# Allegro board RK3588S_Template_LP4XD556P164SD10H2_33X33_2133MHz_H1R6_V10_20220315YWQ.brd (continued)
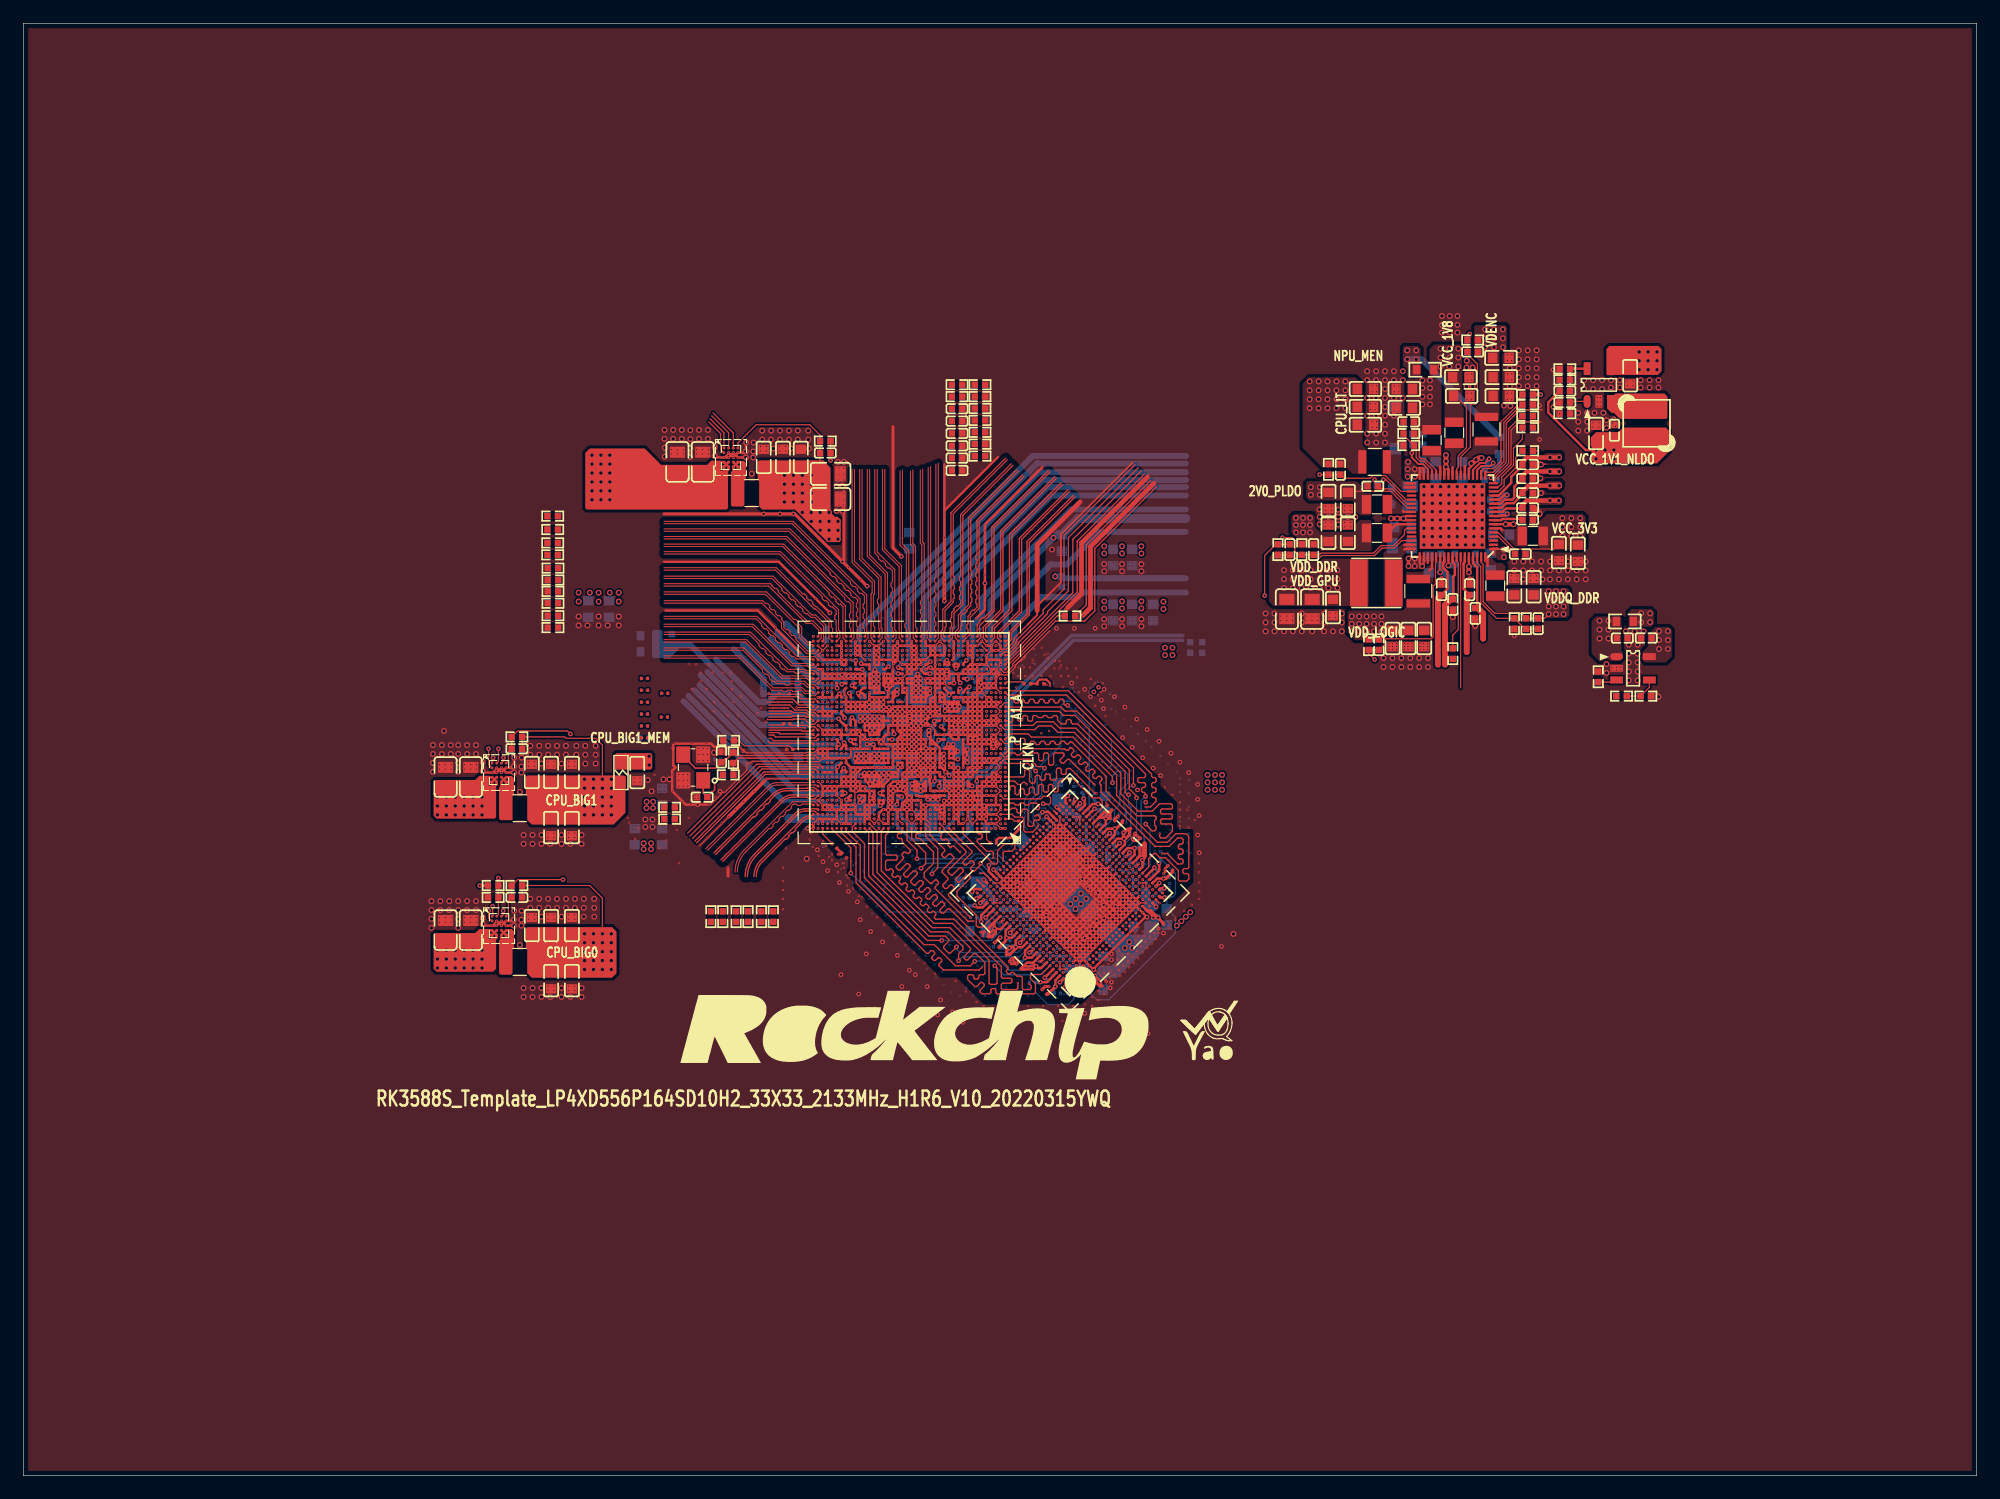
[diagram p0: board, top side]
## Routing (per net, layer and track width the routed paths; a pad name or vN(x,y) marks a point on that pad's centre or on a via; arc(x,y) is an arc through that point) (continued)
  L8-S3 w0.076: v2(74.28,49.22) 74.28,49.05 74.4,48.93 74.51,48.93 74.61,49.03 74.72,49.03 74.83,48.91 74.83,48.8 74.74,48.71 74.74,48.59 74.85,48.48 74.96,48.48 75.06,48.58 75.17,48.58 75.28,48.47 75.28,48.36 75.18,48.26 75.18,48.15 75.29,48.04 75.41,48.04 75.5,48.13 75.61,48.13 75.73,48.02 75.73,47.91 75.63,47.81 75.63,47.7 76.77,46.56 76.88,46.56 77.05,46.73 77.16,46.73 77.27,46.62 77.27,46.51 77.1,46.34 77.1,46.23 77.31,46.02 77.42,46.02 77.5,46.09 77.61,46.09 77.72,45.98 77.72,45.87 77.65,45.8 77.65,45.69 79.2,44.13 79.42,44.13 79.5,44.05 79.5,43.83 80.28,43.05 v2(80.51,43.05)
DDR_CH1_DQ7_C: length 12.7
  L3-S1 w0.076: v1(83.75,49.78) 83.69,49.84 83.69,50.55 83.57,50.67 83.57,50.93 83.67,51.04 83.72,51.04 83.87,51.18 84,51.18 84.08,51.26 84.08,51.43 83.95,51.56 83.95,51.63 83.95,51.63 83.95,51.8 83.88,51.86 83.3,51.86 82.55,52.61 82.55,52.83 82.39,53 82.39,53.24 82.31,53.32 82.15,53.32 82.07,53.24 82.07,53.08 81.99,53 81.83,53 81.76,53.08 81.76,53.24 81.68,53.32 81.52,53.32 81.44,53.24 81.44,53.08 81.36,53 79.8,53 78.57,54.23 78.57,56.17 78.49,56.26 78.13,56.26 v1(77.89,56.5)
DDR_CH1_DQ7_D: length 39.3
  L3-S1 w0.076: v1(89.41,44.13) 89.59,44.13 89.76,44.29 90.14,44.29 90.27,44.17 91.71,44.17 92.46,43.41 92.46,41.95 89.7,39.19 80.5,39.19 71.75,47.94 71.75,49.05 71.98,49.28 72.39,49.28 72.54,49.43 72.54,53.93 72.61,54 72.61,54.77 72.48,54.9 72.48,55.89 v1(72.69,56.1)
DDR_CH1_DQ8_C: length 17.5
  L3-S1 w0.076: v1(86.3,47.24) 86.3,47.31 87.38,48.39 87.38,48.51 87.88,49.02 88.65,49.02 88.77,49.14 88.77,49.25 88.69,49.33 88.69,49.45 88.8,49.56 88.91,49.56 88.96,49.5 89.13,49.5 89.22,49.59 89.22,49.76 89.14,49.84 89.03,49.84 88.95,49.92 88.95,50.03 89.03,50.11 89.32,50.11 89.39,50.18 89.39,50.32 89.32,50.4 88.48,50.4 88.09,50.79 88.09,51.16 85.13,54.12 83.58,54.12 82.93,54.77 82.51,54.77 81.78,55.5 81.67,55.5 80.78,56.39 80.4,56.39 v1(80.29,56.5)
DDR_CH1_DQ8_D: length 32.9
  L3-S1 w0.066: v2(87.82,47.35) 87.64,47.17 87.33,47.17 86.86,46.71 v1(86.86,46.67)
  L3-S1 w0.076: v1(70.69,56.5) 70.36,56.17 70.36,55.5 70.12,55.26 70.12,54.03 69.84,53.74 69.84,51.32 70.53,50.62 71.36,50.62 v2(71.5,50.77)
  L8-S3 w0.066: 86.24,43.17 86.67,43.17 87.76,44.27 ; 87.82,47.01 88.31,46.51 88.31,46.27 88.14,46.09 88.14,45.27 87.76,44.88
  L8-S3 w0.076: 87.82,47.01 v2(87.82,47.35) ; v2(71.5,50.77) 71.71,50.55 72.26,50.55 72.97,49.84 72.97,49.64 80.16,42.45 85.46,42.45 86.19,43.17 86.24,43.17 ; 87.76,44.27 87.76,44.88
DDR_CH1_DQ9_C: length 16.1
  L3-S1 w0.066: 85.24,46.46 85.45,46.67 v1(85.73,46.67)
  L3-S1 w0.076: v1(79.49,55.7) 79.27,55.48 79.27,54.75 v2(79.31,54.71)
  L3-S1 w0.079: v2(83.31,45.34) 83.69,45.34 83.93,45.58 84.7,45.58 84.96,45.85 84.96,46.19 85.24,46.46
  L8-S3 w0.076: v2(83.31,45.34) 82.94,45.71 82.61,45.71 81.24,47.09 81.24,47.55 79.64,49.15 79.64,51.32 78.55,52.4 78.55,53.41 79.12,53.98 79.12,54.52 v2(79.31,54.71)
DDR_CH1_DQ9_D: length 31.8
  L3-S1 w0.066: 86.06,45.59 86.3,45.83 v1(86.3,46.11)
  L3-S1 w0.076: v2(72.29,54.64) 72.22,54.71 72.22,56.03 v1(72.69,56.5) ; v2(76.8,50) 76.8,49.84 79.5,47.14 79.5,47.04 79.85,46.69 80.24,46.69 80.73,46.19 82.21,46.19 82.46,45.94 82.46,45.2 82.95,44.71 84.97,44.71 85.85,45.59 86.06,45.59
  L8-S3 w0.076: v2(72.29,54.64) 72.79,55.13 73.41,55.13 73.49,55.21 73.49,55.55 73.57,55.63 73.72,55.63 73.8,55.55 73.8,55.21 73.88,55.13 74.04,55.13 74.12,55.21 74.12,55.55 74.2,55.63 74.35,55.63 74.43,55.55 74.43,55.21 74.51,55.13 74.67,55.13 74.75,55.21 74.75,55.55 74.83,55.63 74.98,55.63 75.06,55.55 75.06,55.21 75.14,55.13 75.3,55.13 75.38,55.21 75.38,55.55 75.46,55.63 75.61,55.63 75.69,55.55 75.69,55.21 75.77,55.13 75.93,55.13 76.01,55.21 76.01,55.55 76.09,55.63 76.24,55.63 76.32,55.55 76.32,55.21 76.4,55.13 76.5,55.13 76.58,55.05 76.58,54.9 76.66,54.82 76.88,54.82 76.96,54.74 76.96,54.58 76.88,54.5 76.66,54.5 76.58,54.42 76.58,54.27 76.66,54.19 76.88,54.19 76.96,54.11 76.96,53.95 76.88,53.87 76.66,53.87 76.58,53.79 76.58,53.52 76.65,53.46 76.76,53.46 76.87,53.57 76.99,53.57 77.1,53.46 77.1,53.35 76.98,53.23 76.98,53.12 77.35,52.76 77.35,51.66 77.08,51.39 77.08,51.07 77.16,50.99 77.2,50.99 77.28,50.91 77.28,50.76 77.2,50.68 77.04,50.68 76.96,50.6 76.96,50.44 77.04,50.36 77.2,50.36 77.28,50.28 77.28,49.98 77.2,49.91 76.89,49.91 v2(76.8,50)
DDR_CH1_DQ10_C: length 16.6
  L3-S1 w0.066: v1(85.73,47.24) 85.73,47.52 85.53,47.72 85.53,47.89 85.78,48.13
  L3-S1 w0.076: v1(79.49,55.3) 79.49,55 80.28,54.21 82.96,54.21 83.58,53.59 84.93,53.59 87.05,51.48 87.05,51.37 86.98,51.31 86.98,51.19 87.09,51.08 87.21,51.08 87.27,51.15 87.38,51.15 87.51,51.02 87.51,50.37 87.58,50.29 87.87,50.29 88.01,50.15 88.01,50.04 87.95,49.97 87.69,49.97 87.62,49.9 87.62,49.79 87.72,49.69 87.72,49.58 87.61,49.47 87.5,49.47 87.41,49.56 87.28,49.56 87.18,49.46 87.18,49.34 87.27,49.25 87.27,49.14 87.16,49.02 87.05,49.02 86.93,49.15 86.69,49.15 86.61,49.07 86.61,48.95 85.8,48.13 85.78,48.13
DDR_CH1_DQ10_D: length 30.7
  L3-S1 w0.076: v1(72.69,56.9) 71.97,56.17 71.97,53.69 72.05,53.62 72.21,53.62 72.29,53.54 72.29,53.38 72.21,53.3 72.05,53.3 71.97,53.22 71.97,53.06 72.29,52.75 72.29,51.77 v2(72.2,51.68)
  L3-S1 w0.079: v2(87.15,46.39) v1(86.86,46.11)
  L8-S3 w0.066: v2(87.15,46.39) 87.15,46.11 87.62,45.64 87.62,45.25 87.25,44.88 87.25,44.32 86.98,44.06 86.36,44.06 86.12,43.81 86.06,43.81
  L8-S3 w0.076: v2(72.2,51.68) 72.29,51.6 73.94,51.6 74.02,51.52 74.02,51.35 73.94,51.27 73.61,51.27 73.53,51.19 73.53,51.03 73.61,50.95 73.94,50.95 74.02,50.87 74.02,50.45 76.47,48 76.47,47.83 76.69,47.61 77.25,47.61 77.6,47.26 78.81,47.26 79.08,47 79.08,46.7 80.37,45.41 80.37,44.6 80.66,44.31 80.66,43.68 81.37,42.96 85.21,42.96 86.06,43.81
DDR_CH1_DQ11_C: length 17.2
  L3-S1 w0.079: v2(79.98,56.09) 80.28,56.09 v1(80.29,56.1) ; v1(85.17,46.67) 84.53,46.04 84.53,45.93 v2(84.53,45.93)
  L8-S3 w0.076: v2(84.53,45.93) 84.51,45.93 84.48,45.9 84.46,45.9 83.55,45 82.65,45 82.29,45.35 82.29,45.63 80.98,46.95 80.98,47.44 79.38,49.04 79.38,51.21 78.29,52.3 78.29,53.53 78.87,54.1 78.87,54.97 v2(79.98,56.09)
DDR_CH1_DQ11_D: length 29.9
  L3-S1 w0.076: v2(75.99,50.8) 76.18,50.61 76.18,50.1 79.25,47.04 79.25,46.93 79.75,46.43 80.13,46.43 80.63,45.94 82.04,45.94 82.21,45.77 82.21,45.09 82.85,44.45 85.21,44.45 v1(86.3,45.54) ; v2(71.63,54.38) 71.63,54.46 71.75,54.58 71.75,56.21 71.49,56.47 v1(71.49,56.9)
  L8-S3 w0.076: v2(71.63,54.38) 71.95,54.06 71.95,53.99 72.15,53.79 72.61,53.79 72.88,54.06 72.88,54.8 72.96,54.87 73.12,54.87 73.2,54.8 73.2,54.72 73.28,54.64 73.44,54.64 73.52,54.72 73.52,54.8 73.6,54.87 73.75,54.87 73.83,54.8 73.83,54.72 73.91,54.64 74.07,54.64 74.15,54.72 74.15,54.8 74.23,54.87 74.38,54.87 74.46,54.8 74.46,54.72 74.54,54.64 74.7,54.64 74.78,54.72 74.78,54.8 74.86,54.87 75.01,54.87 75.09,54.8 75.09,54.72 75.17,54.64 75.33,54.64 75.41,54.72 75.41,54.8 75.49,54.87 75.64,54.87 75.72,54.8 75.72,54.72 75.8,54.64 75.96,54.64 76.04,54.72 76.04,54.8 76.12,54.87 76.25,54.87 76.33,54.8 76.33,53.42 77.09,52.65 77.09,51.81 76.83,51.56 76.83,51.47 76.76,51.39 76.56,51.39 76.48,51.31 76.48,51.15 76.56,51.08 76.76,51.08 76.83,51 76.83,50.88 76.76,50.8 v2(75.99,50.8)
DDR_CH1_DQ12_C: length 17.1
  L3-S1 w0.066: v1(85.17,47.8) 85.09,47.88 85.09,48.02 85.47,48.39
  L3-S1 w0.076: 85.47,48.39 85.47,48.73 86.14,49.4 86.61,49.4 86.72,49.51 86.72,49.77 86.8,49.84 87.17,49.84 87.25,49.92 87.25,50.08 87.17,50.16 86.8,50.16 86.72,50.24 86.72,50.4 86.8,50.47 87.17,50.47 87.25,50.55 87.25,50.71 87.17,50.79 86.8,50.79 86.72,50.87 86.72,51.44 84.83,53.34 83.47,53.34 82.83,53.98 79.56,53.98 78.99,54.55 78.99,55.63 79.23,55.86 79.23,55.97 v1(79.09,56.1)
DDR_CH1_DQ12_D: length 28.9
  L3-S1 w0.066: v1(87.43,45.54) v2(87.79,45.9)
  L3-S1 w0.076: v2(71.27,51.96) 71.07,52.16 71.07,54.82 71.25,54.99 71.25,55.45 v1(71.49,55.7)
  L8-S3 w0.066: v2(87.79,45.9) 87.79,45.17 87.5,44.88 87.5,44.32 87.07,43.89 86.43,43.89 86.04,43.5
  L8-S3 w0.076: v2(71.27,51.96) 71.27,51.79 71.72,51.34 73.12,51.34 73.22,51.24 73.22,51.08 73.14,51 72.72,51 72.64,50.92 72.64,50.76 72.72,50.68 73.14,50.68 73.22,50.61 73.22,49.75 80.26,42.71 85.36,42.71 86.04,43.39 86.04,43.5
DDR_CH1_DQ13_C: length 16.6
  L3-S1 w0.076: v1(79.09,56.9) 78.78,56.59 78.78,54.44 79.5,53.72 79.7,53.72 v2(79.79,53.63)
  L3-S1 w0.079: v2(83.78,46.43) 83.9,46.43 84.6,47.13 v1(84.6,47.24)
  L8-S3 w0.076: v2(83.78,46.43) 83.74,46.4 82.7,46.4 82.55,46.55 82.55,47.24 83.06,47.75 83.06,48.26 82.92,48.4 82.31,48.4 82.01,48.1 81.41,48.1 80.15,49.36 80.15,51.55 79.54,52.16 79.54,52.54 79.79,52.79 v2(79.79,53.63)
DDR_CH1_DQ13_D: length 27.7
  L3-S1 w0.066: v1(86.86,44.98) 86.74,44.98 86.08,44.32 v2(86.08,44.2)
  L3-S1 w0.076: v2(70.24,53.11) 70.36,53.23 70.36,53.4 70.29,53.47 70.17,53.47 70.1,53.54 70.1,53.63 70.17,53.7 70.29,53.7 70.36,53.77 70.36,55.24 70.59,55.47 70.59,55.99 v1(70.69,56.1)
  L8-S3 w0.076: v2(86.08,44.2) 86,44.2 85.72,43.92 82.14,43.92 81.74,44.32 81.39,44.32 80.88,44.83 80.88,45.62 79.59,46.91 79.59,47.21 79.03,47.78 77.88,47.78 77.06,48.6 76.6,48.6 74.63,50.57 74.63,51.54 74.71,51.62 74.79,51.62 74.87,51.69 74.87,51.85 74.79,51.93 74.71,51.93 74.63,52.01 74.63,52.17 74.71,52.25 74.94,52.25 75.02,52.32 75.02,52.48 74.94,52.56 74.71,52.56 74.63,52.64 74.63,52.7 74.56,52.78 71.14,52.78 71.06,52.86 71.06,53.05 70.98,53.13 70.82,53.13 70.74,53.05 70.74,52.91 70.66,52.83 70.52,52.83 v2(70.24,53.11)
DDR_CH1_DQ14_C: length 16.4
  L3-S1 w0.076: v1(85.17,48.37) 85.17,48.69 86.13,49.66 86.23,49.66 86.47,49.89 86.47,51.33 84.72,53.08 83.36,53.08 82.67,53.77 80.95,53.77 v2(80.81,53.63) ; v1(77.89,55.3) 77.94,55.25 77.94,54.23 77.94,54.23 77.94,53.65 78.23,53.37 78.23,52.76 78.68,52.32 79.8,52.32 v2(79.88,52.4)
  L8-S3 w0.076: v2(80.81,53.63) 80.1,52.92 80.1,52.62 v2(79.88,52.4)
DDR_CH1_DQ14_D: length 32.7
  L3-S1 w0.076: v1(71.49,56.1) 70.99,55.6 70.99,55.17 70.81,54.99 70.81,51.94 71.87,50.88 71.87,50.43 72.2,50.1 v2(72.2,49.7)
  L3-S1 w0.079: v2(89.15,46.89) 89.15,46.77 87.99,45.61 v1(87.99,45.54)
  L8-S3 w0.066: 88.14,43.85 88.58,44.28 88.58,45.65 88.9,45.97 ; 88.14,43.5 87.52,42.88 87.08,42.88 87.02,42.83
  L8-S3 w0.076: 88.9,45.97 88.9,46.64 v2(89.15,46.89) ; v2(72.2,49.7) 72.2,49.68 79.94,41.94 85.68,41.94 86.41,42.67 86.87,42.67 87.02,42.83 ; 88.14,43.85 88.14,43.5
DDR_CH1_DQ15_C: length 14.6
  L3-S1 w0.066: 83.5,46.75 83.98,46.75 84.4,47.18 84.4,47.32 84.58,47.5 84.58,47.79 v1(84.6,47.8)
  L3-S1 w0.076: v2(78.89,53.07) 78.16,53.8 78.16,55.43 v1(77.89,55.7)
  L3-S1 w0.079: v2(82.8,46.05) 83.5,46.75
  L8-S3 w0.076: v2(82.8,46.05) 82.63,46.05 81.49,47.19 81.49,47.66 79.89,49.25 79.89,51.42 78.81,52.51 78.81,52.98 v2(78.89,53.07)
DDR_CH1_DQ15_D: length 28.1
  L3-S1 w0.066: v1(87.43,44.98) 87.41,44.96 87.13,44.96 86.95,44.78 86.78,44.78 86.49,44.48 86.49,44.16 86.14,43.81 85.6,43.81 85.47,43.94 85.34,43.94
  L3-S1 w0.076: v1(71.49,55.3) 71.49,54.86 71.31,54.67 71.31,53.37 71.94,52.74 v2(71.94,52.44)
  L3-S1 w0.079: 85.34,43.94 85.22,43.94 v2(84.84,43.56)
  L8-S3 w0.076: v2(84.84,43.56) 84.5,43.22 81.49,43.22 80.91,43.8 80.91,44.42 80.63,44.7 80.63,45.51 79.34,46.8 79.34,47.11 78.92,47.52 77.78,47.52 76.95,48.35 76.49,48.35 74.31,50.53 74.31,52.36 74.23,52.44 73.98,52.44 73.9,52.36 73.9,51.93 73.83,51.86 73.67,51.86 73.59,51.93 73.59,52.36 73.51,52.44 73.35,52.44 73.27,52.36 73.27,51.93 73.2,51.86 73.04,51.86 72.96,51.93 72.96,52.36 72.88,52.44 72.72,52.44 72.64,52.36 72.64,52.15 72.57,52.07 72.41,52.07 72.33,52.15 72.33,52.36 72.25,52.44 71.94,52.44 v2(71.94,52.44)
DDR_CH1_DQS0N_C: length 7.8
  L3-S1 w0.069: v1(80.69,55.7) 80.91,55.49 80.91,55.25 v2(81.19,54.97) ; v1(82.62,49.78) v2(82.41,50)
  L8-S3 w0.066: v2(81.19,54.97) 81,54.78 81,54.51 81.49,54.02 81.49,53.34 80.94,52.79 80.94,51.32 81.91,50.35 81.91,49.9 82.03,49.78 82.2,49.78 v2(82.41,50)
DDR_CH1_DQS0N_D: length 29.9
  L3-S1 w0.066: v1(67.89,55.3) 67.83,55.24 67.83,54.82 67.93,54.71 67.93,54.51 67.83,54.4 67.83,54.17 67.97,54.02 68.12,54.02 68.26,53.88 68.26,53.73 68.52,53.47 v2(68.8,53.47)
  L3-S1 w0.069: v1(89.41,43) v2(89.62,42.78)
  L8-S3 w0.066: v2(89.62,42.78) 89.61,42.78 88.2,42.78 86.86,41.43 79.76,41.43 68.96,52.23 68.96,53.03 68.8,53.19 v2(68.8,53.47)
DDR_CH1_DQS0P_C: length 7.4
  L3-S1 w0.069: v1(80.69,55.3) 80.69,55.03 v2(80.63,54.97) ; v1(82.34,49.5) v2(82.12,49.29)
  L8-S3 w0.066: v2(82.12,49.29) 82.12,49.45 81.74,49.83 81.74,50.27 80.77,51.25 80.77,52.86 81.32,53.41 81.32,53.95 80.83,54.44 80.83,54.77 v2(80.63,54.97)
DDR_CH1_DQS0P_D: length 30
  L3-S1 w0.066: v2(68.4,53.07) 68.4,53.35 68.14,53.61 67.66,54.09 67.66,55.46 v1(67.89,55.7)
  L3-S1 w0.069: v1(89.13,42.71) 88.99,42.57 v2(88.99,42.41)
  L8-S3 w0.066: v2(68.4,53.07) 68.68,53.07 68.79,52.96 68.79,52.16 79.69,41.26 86.93,41.26 88.27,42.6 88.79,42.6 v2(88.99,42.41)
DDR_CH1_DQS1N_C: length 14.1
  L3-S1 w0.066: v2(84.07,54.69) 84.07,54.84 84,54.91 83.23,54.91 83.07,55.08 82.86,55.08 82.69,55.25 v1(82.69,55.3)
  L3-S1 w0.069: v2(85.38,47.02) v1(85.17,47.24)
  L8-S3 w0.066: v2(84.07,54.69) 84.39,54.69 84.5,54.58 84.5,54.43 84.64,54.28 84.79,54.28 84.96,54.12 84.96,53.97 85.1,53.83 85.25,53.83 85.39,53.68 85.39,53.54 85.54,53.39 85.68,53.39 85.83,53.25 85.83,53.1 85.97,52.96 86.12,52.96 86.26,52.81 86.26,52.67 86.4,52.52 86.55,52.52 86.7,52.38 86.7,52.18 86.59,52.07 86.59,51.87 86.7,51.76 86.7,51.56 86.59,51.46 86.59,51.25 86.7,51.15 86.7,50.95 86.59,50.84 86.59,50.64 86.7,50.54 86.7,50.18 86.63,50.11 86.47,50.11 86.37,50.22 86.17,50.22 85.89,49.94 85.89,49.66 86.06,49.49 86.63,49.49 86.7,49.43 86.7,48.92 86.44,48.66 86.29,48.66 86.15,48.52 86.15,48.14 86.04,48.04 86.04,47.84 86.15,47.73 86.15,47.53 85.99,47.38 85.85,47.38 85.7,47.23 85.7,47.09 85.56,46.94 85.46,46.94 v2(85.38,47.02)
DDR_CH1_DQS1N_D: length 29.7
  L3-S1 w0.066: v2(69.47,54.54) 69.28,54.73 69.28,55.3 69.68,55.7 69.68,55.88 v1(69.89,56.1)
  L3-S1 w0.069: v2(86.62,45.78) v1(86.86,45.54)
  L8-S3 w0.066: v2(86.62,45.78) 86.31,45.47 85.8,45.47 84.88,44.55 82.5,44.55 81.71,45.34 81.71,45.63 80.45,46.89 80.45,47.31 79.36,48.41 78.21,48.41 77.13,49.49 76.6,49.49 75.49,50.6 75.49,51.49 75.92,51.92 75.92,52.35 75.69,52.58 75.69,53.98 75.49,54.17 74.96,54.17 74.79,54 74.79,53.45 74.72,53.39 74.38,53.39 74.31,53.45 74.31,54 74.14,54.17 73.59,54.17 73.42,54 73.42,53.6 73.19,53.37 71.63,53.37 71.07,53.93 70.87,53.93 70.76,53.83 70.44,53.83 70.33,53.93 70.13,53.93 70.03,53.83 69.66,53.83 69.28,54.21 69.28,54.34 v2(69.47,54.54)
DDR_CH1_DQS1P_C: length 13.9
  L3-S1 w0.066: v1(83.09,55.3) 83.31,55.09 v2(84.47,55.09)
  L3-S1 w0.069: v2(84.68,46.73) 84.88,46.93 v1(84.88,46.96)
  L8-S3 w0.066: v2(84.47,55.09) 84.47,54.85 86.87,52.45 86.87,50.11 86.7,49.94 86.13,49.94 86.07,49.87 86.07,49.74 86.13,49.67 86.7,49.67 86.87,49.5 86.87,48.85 86.32,48.3 86.32,47.46 85.55,46.69 84.73,46.69 v2(84.68,46.73)
DDR_CH1_DQS1P_D: length 30.2
  L3-S1 w0.066: v1(69.89,56.5) 69.89,56.44 69.67,56.22 69.67,56.12 69.5,55.96 69.5,55.78 69.1,55.37 69.1,54.73 v2(68.91,54.54)
  L3-S1 w0.069: v1(86.58,45.26) v2(86.34,45.02)
  L8-S3 w0.066: v2(68.91,54.54) 69.1,54.34 69.1,54.14 69.59,53.65 71.1,53.65 71.56,53.2 73.26,53.2 73.59,53.53 73.59,53.93 73.66,54 74.07,54 74.14,53.93 74.14,53.38 74.31,53.21 74.79,53.21 74.96,53.38 74.96,53.93 75.03,54 75.42,54 75.52,53.9 75.52,52.51 75.75,52.28 75.75,51.99 75.32,51.56 75.32,50.52 76.53,49.32 77.06,49.32 78.14,48.23 79.29,48.23 80.28,47.24 80.28,46.82 81.53,45.56 81.53,45.27 82.43,44.37 84.95,44.37 85.87,45.29 86.28,45.29 86.34,45.23 v2(86.34,45.02)
DDR_CH1_LP4/4X_CKE0/LP5_CS0_C: length 13
  TOP w0.107: U1000.A18 77.09,55.3 77.09,54.61 78.12,53.58 78.12,51.91 v4(77.62,51.42)
  BOTTOM w0.107: R3702.2 83.7,49.65 83.44,49.91 83.44,50.16 81.66,51.94 77.86,51.94 77.62,51.71 v4(77.62,51.42)
DDR_CH1_LP4/4X_CKE0/LP5_CS0_D: length 26.2
  TOP w0.107: v4(81.28,43.94) 80.9,43.56 79.63,43.56 77.82,45.36 76.94,45.36 71.5,50.81 71.5,53.85 70.29,55.05 U1000.A35
  BOTTOM w0.107: v4(81.28,43.94) 83.44,43.94 84.2,43.18 85.6,43.18 86.36,43.94 86.87,43.94 87.38,44.45 87.38,44.6 87.48,44.7 87.99,44.7 R3713.2
DDR_CH1_LP4/4X_CKE1/LP5_CS1_C: length 10.7
  TOP w0.107: U1000.A13 79.1,55.3 81.03,53.37 81.03,53.22 80.28,52.46 80.28,52.31 80.42,52.17 80.57,52.17 80.93,52.53 81.08,52.53 81.23,52.38 81.23,52.22 80.94,51.93 80.94,51.78 81.08,51.64 81.23,51.64 81.79,52.2 v4(81.79,52.32)
  BOTTOM w0.107: v4(81.79,52.32) 83.04,51.07 83.19,51.07 83.3,51.17 83.45,51.17 83.6,51.02 83.6,50.87 83.5,50.77 83.5,50.62 83.8,50.31 R3704.2
DDR_CH1_LP4/4X_CKE1/LP5_CS1_D: length 26
  TOP w0.107: v4(79.72,45.17) 79.2,44.65 79.05,44.65 78.62,45.07 78.62,45.22 79.06,45.65 79.06,45.81 78.76,46.1 77.35,46.1 72.22,51.23 72.22,54.97 U1000.A31
  BOTTOM w0.107: R3715.2 88.59,45.88 88.15,46.32 86.94,46.32 86.49,45.87 86.49,45.74 86.22,45.47 85.72,45.47 84.96,44.7 80.01,44.7 79.72,44.99 v4(79.72,45.17)
DDR_CH1_LP4/4X_CS0_C: length 17.8
  TOP w0.107: U1000.B15 78.65,55.34 78.65,55.23 80.52,53.37 80.52,53.22 79.01,51.7 79.01,51.55 79.23,51.32 79.39,51.32 80,51.93 80.15,51.93 80.3,51.78 80.3,51.63 79.69,51.02 79.69,50.87 79.84,50.72 79.99,50.72 80.6,51.33 80.75,51.33 80.89,51.19 80.89,51.04 79.76,49.91 79.76,49.53 81.41,47.88 81.41,47 81.54,46.86 81.97,46.86 83.19,48.08 U3700.AJ7
DDR_CH1_LP4/4X_CS0_D: length 33.6
  TOP w0.107: U1000.B30 72.94,55.05 72.94,51.53 77.64,46.82 79.15,46.82 80.92,45.06 80.92,44.91 80.37,44.36 80.37,44.21 80.52,44.06 80.67,44.06 81.22,44.61 81.37,44.61 82.15,43.83 82.15,42.91 82.04,42.8 81.73,42.8 81.62,42.69 81.62,42.52 81.51,42.42 81.3,42.42 81.19,42.52 81.19,42.69 81.09,42.8 80.78,42.8 80.67,42.69 80.67,42.39 81.28,41.78 81.43,41.78 81.79,42.14 81.94,42.14 82.09,41.98 82.09,41.83 81.74,41.48 81.74,41.33 81.89,41.17 82.55,41.17 82.65,41.27 82.65,41.5 82.76,41.61 82.97,41.61 83.08,41.5 83.08,41.27 83.19,41.17 86.36,41.17 86.46,41.27 86.46,42.04 86.04,42.46 86.04,42.72 86.15,42.82 86.97,42.82 U3700.AJ23
DDR_CH1_LP4/4X_CS1_C: length 15.1
  TOP w0.107: U1000.A19 76.69,54.98 76.59,54.87 76.36,54.87 76.25,54.77 76.25,54.55 76.36,54.45 76.59,54.45 77.76,53.28 77.76,52.3 76.96,51.51 76.96,51.12 77.46,50.62 77.61,50.62 77.87,50.88 78.03,50.88 78.18,50.73 78.18,50.58 77.91,50.31 77.91,50.16 80.71,47.37 v1(81.15,47.37)
  L3-S1 w0.064: v1(81.15,47.37) 81.4,47.37 82.54,48.51 82.8,48.51 82.95,48.37 v1(83.47,48.37)
DDR_CH1_LP4/4X_CS1_D: length 34.9
  TOP w0.107: v1(85.92,42.04) 86.1,41.85 86.1,41.64 86,41.53 85.45,41.53 85.34,41.64 85.34,42.57 85.24,42.67 84.9,42.67 84.57,42.99 84.42,42.99 84.29,42.86 84.14,42.86 83.99,43.01 83.99,43.16 84.12,43.29 84.12,43.45 79.14,48.43 78.99,48.43 78.61,48.06 78.46,48.06 78.31,48.21 78.31,48.36 78.68,48.73 78.68,48.88 78.53,49.03 78.38,49.03 78.01,48.66 77.86,48.66 77.71,48.81 77.71,48.96 78.08,49.34 78.08,49.49 77.93,49.64 77.78,49.64 77.4,49.26 77.25,49.26 77.1,49.41 77.1,49.56 77.48,49.94 77.48,50.09 77.33,50.24 77.18,50.24 76.8,49.87 76.65,49.87 76.5,50.02 76.5,50.17 76.87,50.54 76.87,50.69 76.72,50.84 76.57,50.84 76.2,50.47 76.05,50.47 75.82,50.7 75.82,50.85 76.36,51.38 76.36,51.53 76.21,51.68 76.05,51.68 75.52,51.15 75.37,51.15 75.22,51.3 75.22,51.45 75.75,51.99 75.75,52.14 75.6,52.29 75.45,52.29 74.92,51.75 74.76,51.75 74.57,51.94 74.57,52.09 75.19,52.71 75.19,52.86 75.08,52.96 75.08,53.11 75.23,53.26 75.38,53.26 75.49,53.16 75.64,53.16 75.77,53.29 75.77,53.44 75.09,54.12 75.09,54.33 74.99,54.44 74.78,54.44 74.68,54.54 74.68,54.76 74.78,54.86 74.99,54.86 75.09,54.97 U1000.A23
  L3-S1 w0.066: v1(87.99,43.84) 88.01,43.83 88.01,43.35 87.63,42.97 87.63,42.45 87.21,42.04 87.21,42.03 86.97,41.78 86.17,41.78 v1(85.92,42.04)
DDR_RESET: length 22
  TOP w0.107: v4(94.84,58.97) 94.85,58.98 94.85,60.47 90,65.32 88.99,65.32 88.64,65.66 83.93,65.66 U1000.AG1
  L2-GND1 w0.066: v8(93.73,53.59) 93.22,53.59 v7(92.8,53.18)
  L3-S1 w0.066: v8(93.73,53.59) 94.36,54.23 94.36,55.2 v2(94.13,55.43)
  L8-S3 w0.066: v2(94.13,55.43) 94.23,55.53 v3(94.23,55.71)
  BOTTOM w0.107: v4(94.84,58.97) 94.66,58.97 94.04,58.35 94.04,57.09 94.19,56.94 C3742.1 94.23,56.47 v3(94.23,55.71)
EDP_TX0_AUXN: length 15.2
  TOP w0.107: U1000.AY1 83.89,70.9 84.4,71.41 84.4,71.99 85.94,73.54 85.94,79.72 89.85,83.63
EDP_TX0_AUXP: length 14.9
  TOP w0.107: U1000.BA1 84.01,71.3 84.2,71.49 84.2,72.08 85.75,73.62 85.75,79.8 89.71,83.77
EDP_TX0_D0N: length 15.9
  TOP w0.107: 88.8,84.68 84.45,80.34 84.45,73.9 82.98,72.43 82.98,72.42 82.97,72.4 82.97,71.58 U1000.BA4
EDP_TX0_D0P: length 15.6
  TOP w0.107: U1000.BB4 82.76,71.77 82.76,72.49 82.78,72.5 82.78,72.51 84.25,73.98 84.25,80.42 88.65,84.83
EDP_TX0_D1N: length 16.1
  TOP w0.107: U1000.BB5 82.21,71.78 82.21,72.41 83.69,73.89 83.69,80.65 88.26,85.22
EDP_TX0_D1P: length 16.7
  TOP w0.107: 88.12,85.36 83.5,80.73 83.5,73.97 82.01,72.49 82.01,71.58 U1000.BA5
EDP_TX0_D2N: length 17.1
  TOP w0.107: 87.72,85.76 82.93,80.97 82.93,73.87 81.69,72.62 81.69,72.05 81.77,71.97 81.77,71.58 U1000.BA7
EDP_TX0_D2P: length 16.9
  TOP w0.107: 87.58,85.9 82.74,81.05 82.74,73.95 82.08,73.29 81.91,73.29 81.7,73.07 81.7,72.91 81.48,72.69 81.48,71.97 81.56,71.89 81.56,71.77 U1000.BB7
EDP_TX0_D3N: length 14.9
  TOP w0.107: 89.39,84.09 85.29,79.99 85.29,73.81 83.44,71.97 83.44,71.75 U1000.BB2
EDP_TX0_D3P: length 15.5
  TOP w0.107: U1000.BA2 83.21,71.58 83.21,71.8 83.24,71.83 83.24,72.05 85.09,73.9 85.09,80.07 89.25,84.23
EMMC_CLKOUT: length 1.3
  TOP w0.107: 63.69,64.14 64.88,64.14 R1309.2
EMMC_CMD/FSPI_CLK: length 4
  TOP w0.102: U1000.AE42 67.38,65.01 67.03,65.01 66.85,65.19 65.77,65.19
  TOP w0.107: 65.77,65.19 65.63,65.33 63.69,65.33
EMMC_D0/FSPI_D0: length 4.3
  TOP w0.107: 63.69,62.99 63.88,62.99 64.08,62.79 67.78,62.79 U1000.Y41
EMMC_D1/FSPI_D1: length 11.7
  L3-S1 w0.076: 66.42,63.12 67.82,63.12 68.04,62.9 v1(68.29,62.9)
  L3-S1 w0.102: 57.17,64.25 60.47,64.25 61.67,63.04 66.34,63.04 66.42,63.12
EMMC_D2/FSPI_D2: length 4.4
  TOP w0.107: 63.69,63.27 64.11,63.27 64.26,63.12 67.08,63.12 67.18,63.02 67.61,63.02 U1000.AA41
EMMC_D3/FSPI_D3: length 3.9
  TOP w0.107: U1000.AA42 67.42,63.37 64.64,63.37 64.53,63.48 63.69,63.48
EMMC_D6/FSPI_CS0: length 4.7
  TOP w0.107: 63.55,64.65 63.61,64.59 65.73,64.59 65.79,64.64 66.76,64.64 67.22,64.19 67.58,64.19 U1000.AD41
EMMC_D7: length 4.6
  TOP w0.107: U1000.AE41 67.58,65.22 67.12,65.22 66.94,65.4 65.92,65.4 65.49,65.84 63.69,65.84
EMMC_DATA_STROBE: length 12.3
  L3-S1 w0.066: 57.36,67.29 60.93,67.29 63.86,64.36 66.52,64.36 v1(66.55,64.34) 68.06,64.34 v1(68.29,64.1)
EMMC_RSTN: length 12.4
  L3-S1 w0.066: 57.36,68 60.99,68 64.41,64.57 68.23,64.57 v1(68.29,64.5)
GAUGE_ALRT: length 13.8
  L3-S1 w0.076: v1(68.69,65.7) 68.47,65.48 66.85,65.48 66.62,65.71 66.62,66.12 66.43,66.32 66.24,66.32
  L3-S1 w0.102: 57.36,70.75 61.81,70.75 66.24,66.32
GSENSOR_INT_L: length 13.7
  L3-S1 w0.076: v1(68.69,60.9) 66.38,60.9 66.28,60.8 66.24,60.8
  L3-S1 w0.102: 57.53,54.74 59.06,54.74 65.12,60.8 66.24,60.8
HALL_INT_L: length 14.3
  L3-S1 w0.076: v1(69.49,65.7) 69.49,65.66 69.01,65.18 66.54,65.18 66.34,65.38 66.24,65.38
  L3-S1 w0.102: 57.36,69.94 61.42,69.94 65.98,65.38 66.24,65.38
HDMI0_TX_ON_H: length 15
  L3-S1 w0.076: v1(75.49,70.5) 75.31,70.68 75.31,72.26 75.01,72.57
  L3-S1 w0.102: 74.9,84.74 74.9,81.21 75.64,80.47 75.64,78.66 75.01,78.02 75.01,72.57
HDMI/EDP_TX0_REXT: length 1
  L3-S1 w0.102: v1(83.09,70.9) 83.21,71.02 v2(83.39,71.02)
  L8-S3 w0.102: v3(83.39,70.71) v2(83.39,71.02)
  BOTTOM w0.102: R1708.1 v3(83.39,70.71)
HDMI_TX0_CEC_M0: length 13
  L3-S1 w0.076: v1(73.89,70.9) 73.96,70.97 73.96,72.51 73.74,72.74
  L3-S1 w0.102: 73.71,83.81 73.74,83.79 73.74,72.74
HDMI_TX0_HPD_M0: length 13
  L3-S1 w0.076: 66.24,59.56 66.62,59.56 67.03,59.97 68,59.97 v1(68.27,59.7)
  L3-S1 w0.102: 66.24,59.56 65.89,59.56 65.35,59.02 59.51,53.18 59.51,51.91
HDMI_TX0_SCL_M0: length 15.7
  L3-S1 w0.076: v1(75.49,70.1) 75.74,70.34 75.74,70.66 75.47,70.93 75.47,72.36 75.26,72.57 75.26,72.82
  L3-S1 w0.102: 75.26,72.82 75.26,77.99 75.84,78.57 75.84,80.55 75.11,81.29 75.11,84.91
HDMI_TX0_SDA_M0: length 14.4
  L3-S1 w0.076: v1(75.09,70.5) 75.16,70.57 75.16,72.16 74.75,72.57 74.75,72.71
  L3-S1 w0.102: 74.59,84.64 74.59,72.88 74.75,72.71
HOST0_REXT: length 1.6
  TOP w0.102: U1000.AW5 82.29,70.5 v1(81.89,70.9)
  L3-S1 w0.102: v1(81.89,70.9) 81.92,70.92 v2(81.92,71.2)
  L8-S3 w0.102: v2(81.92,71.2) v3(81.92,71.5)
  BOTTOM w0.102: R1405.1 81.74,71.68 v3(81.92,71.5)
HOST1_REXT: length 1.8
  L3-S1 w0.102: v1(81.89,69.7) 81.89,69.7 v2(82.19,69.7)
  L8-S3 w0.102: v3(82.19,70) v2(82.19,69.7)
  BOTTOM w0.102: v3(82.19,70) 82.18,70 82.05,70.13 82.05,70.73 R1406.1
HOST_WAKE_BT_H: length 12
  TOP w0.102: U1000.AH42 v1(66.34,66.1)
  L3-S1 w0.076: v1(66.34,66.1) 66.24,66.1
  L3-S1 w0.102: 66.24,66.1 66.17,66.1 61.72,70.55 57.36,70.55
HP_DET_L: length 14.8
  L3-S1 w0.076: v1(69.09,60.9) 68.87,61.12 66.38,61.12 66.27,61.01 66.24,61.01
  L3-S1 w0.102: 56.97,55.17 58.72,55.17 59.89,56.34 59.89,56.46 64.44,61.01 66.24,61.01
I2C0_SCL_M2: length 18.6
  TOP w0.102: U1000.AH41 67.61,66.38 67.38,66.38 66.39,66.38 66.22,66.55 63.69,66.55
  TOP w0.104: v4(41,48.26) 41,47.95 U2300.A3 ; v4(41.02,61.34) 41.02,61.05 U2301.A3
  L8-S3 w0.102: v4(41,48.26) 41,61.32 v4(41.02,61.34)
